# KiCad board AT386SX.kicad_pcb (continued)
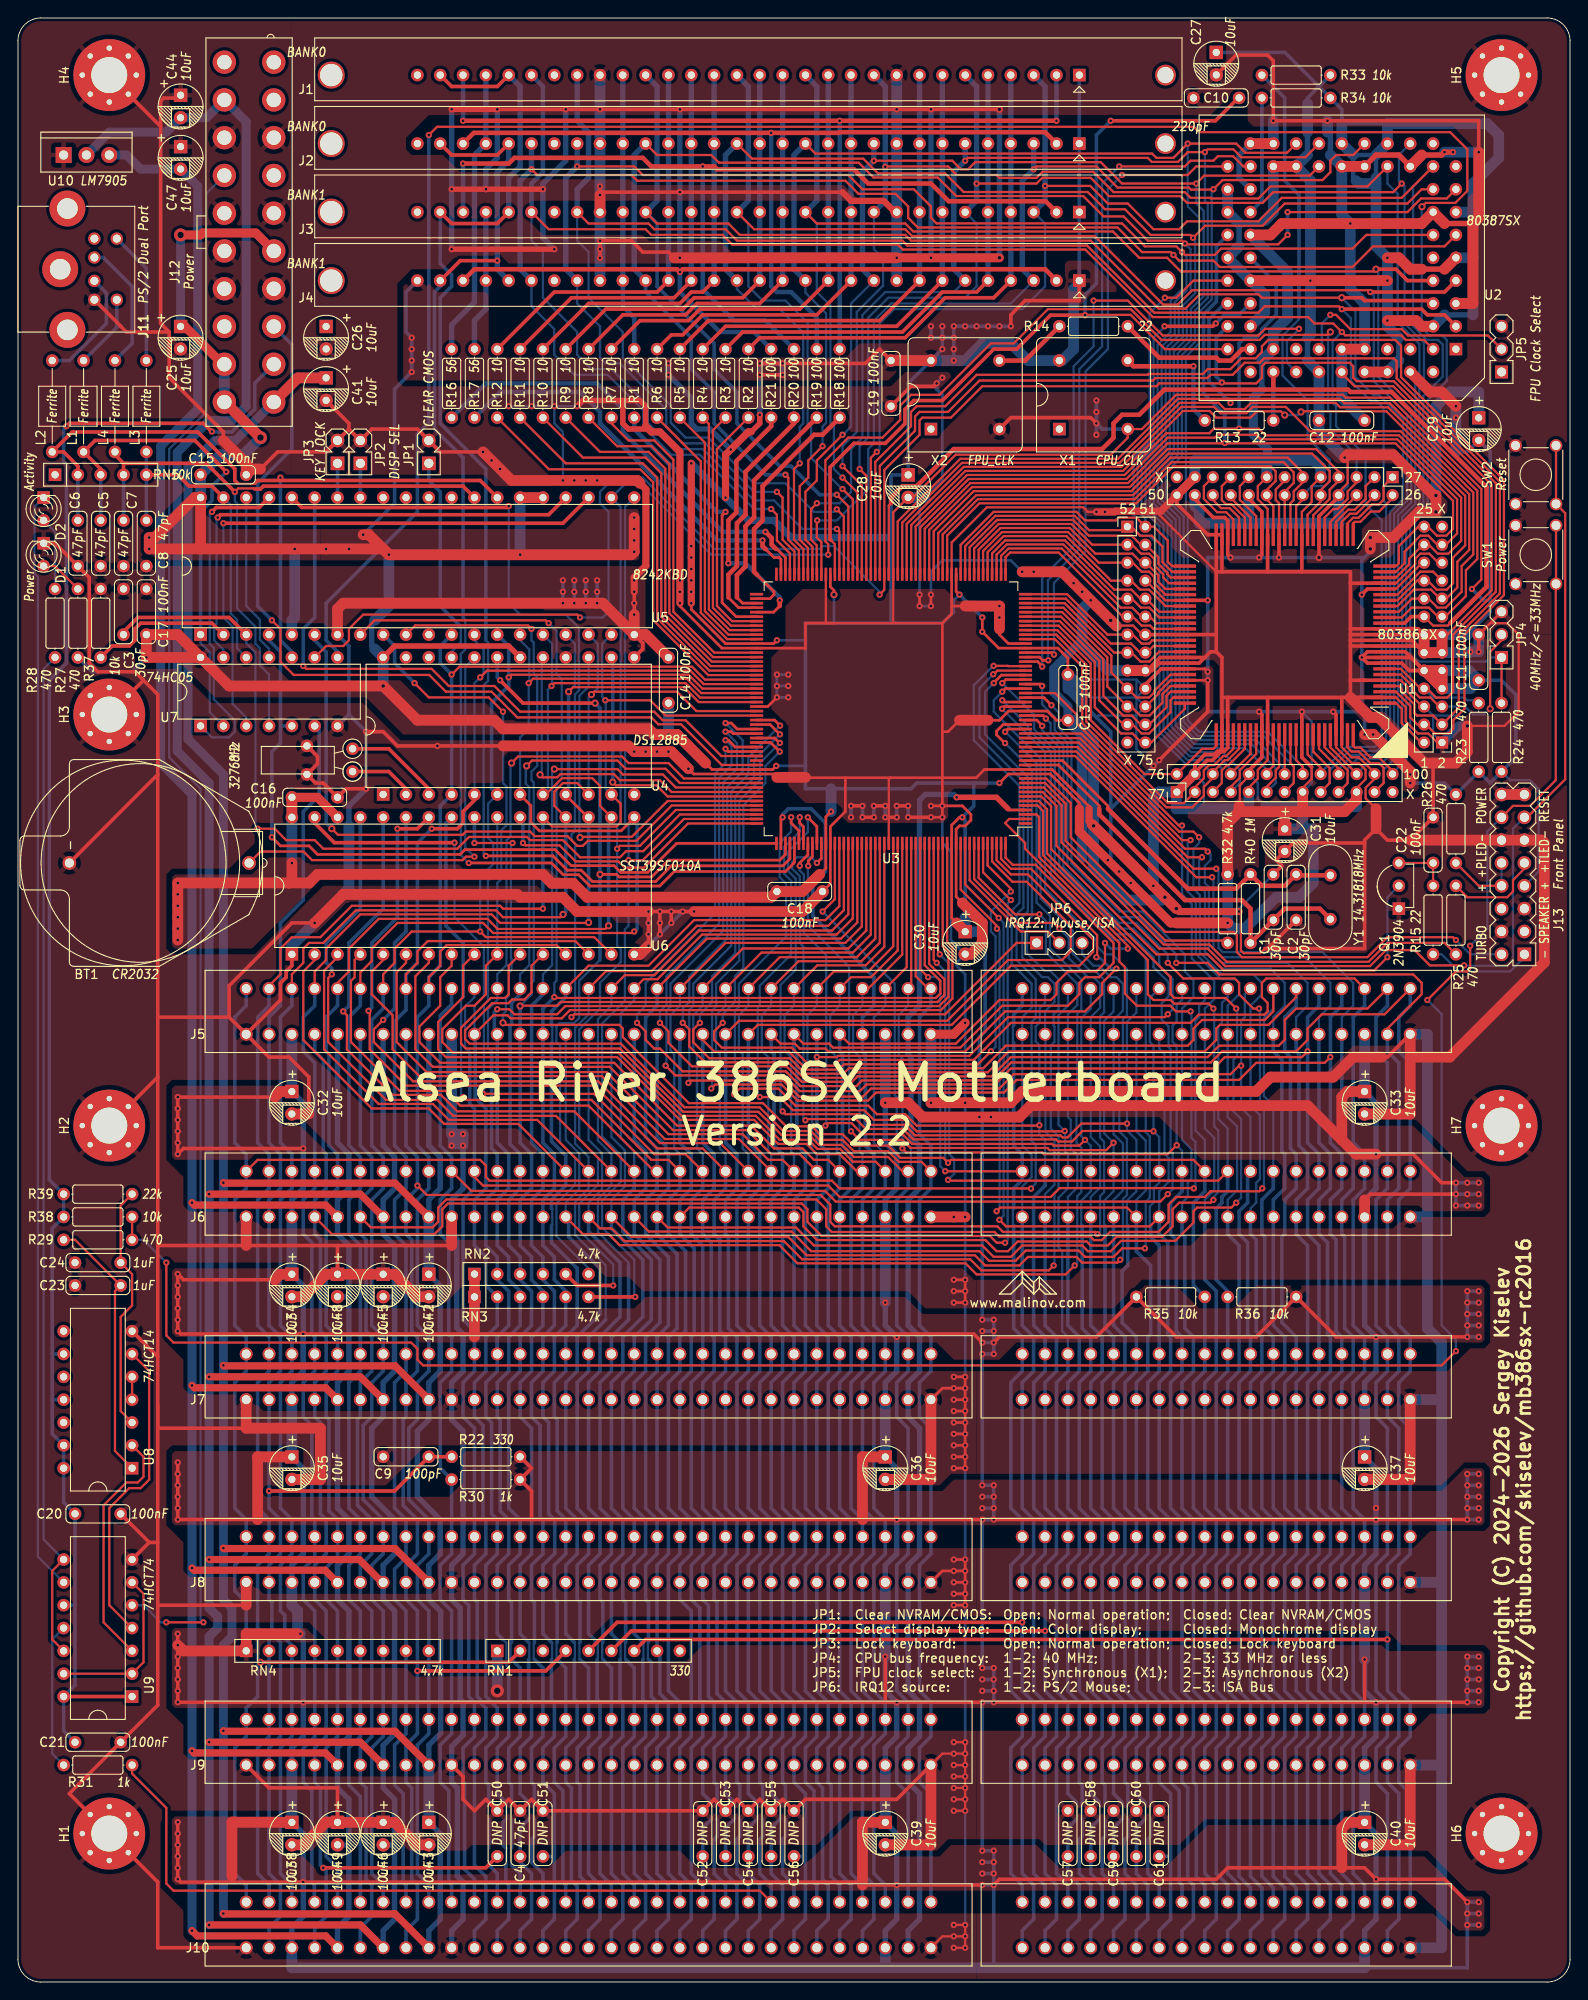
[diagram p0: board, top side]
## Routing (per net, layer and track width the routed paths; a pad name or vN(x,y) marks a point on that pad's centre or on a via; arc(x,y) is an arc through that point) (continued)
  Top w0.25: U1.44 137.16,162.88 134.97,165.07 J15.20
/~{SUSP}: length 7.6
  Top w0.25: J15.17 135.97,166.37 135.97,164.86 137.79,163.04 U1.43
A1: length 98.3
  Top w0.25: v2(142.79,174.62) 142.86,174.7 152.29,174.7 161.5,165.48 161.5,159.28 160.18,157.96 160.18,155.1 158.94,153.86 J14.17 158.24,153.86 157.24,154.86 155.34,154.86 153.51,153.03 U1.18 ; U3.74 99.41,162.04 105.42,168.06 122.97,168.06 129.64,174.73 132.61,174.73 133.35,173.99 137.16,173.99 137.87,174.7 140.55,174.7 v2(140.97,174.28)
  Bottom w0.25: v2(140.97,174.28) 142.44,174.28 v2(142.79,174.62)
A2: length 68.4
  Top w0.25: U1.51 128.43,157.48 127.95,157.96 127.95,160.32 126.41,161.86 J16.2 124.46,162.86 122.46,162.86 122.16,162.56 118.75,162.56 117.79,163.51 108.58,163.51 104.91,159.84 U3.63
  Top w0.4: v1(127.6,184.15) 132.98,184.15 v1(133.3,184.47)
  Bottom w0.25: v1(127.6,184.15) 127.6,184.11 126.37,182.89 126.37,171.14 124.59,169.36 124.59,163.7 125.46,162.83 J16.2
  Bottom w0.4: U2.48 135.89,185.42 134.25,185.42 v1(133.3,184.47)
A3: length 32.9
  Top w0.25: U1.52 128.43,156.84 127.36,157.92 127.36,159.66 126.16,160.86 124.89,160.86 123.89,161.86 J16.1 123.08,161.48 119.19,161.48 117.61,163.06 108.76,163.06 105.41,159.7 U3.62
A4: length 31.4
  Top w0.25: U1.53 128.27,156.21 127.9,156.58 127.9,156.74 126.91,157.73 126.91,158.46 125.51,159.86 J16.4 124.94,159.86 123.94,160.86 119.17,160.86 117.42,162.61 108.95,162.61 105.91,159.57 U3.61
A5: length 30.8
  Top w0.25: U3.60 106.41,159.43 109.14,162.16 117.23,162.16 119.54,159.86 J16.3 123.98,159.86 124.99,158.86 125.87,158.86 126.46,158.27 126.46,157.55 127.45,156.56 127.45,156.21 128.08,155.57 U1.54
A6: length 29.9
  Top w0.25: U3.59 106.91,159.3 109.32,161.71 117.05,161.71 119.9,158.86 124.03,158.86 125.03,157.86 J16.6 125.51,157.86 126.91,156.46 126.91,155.73 127.7,154.94 U1.55
A7: length 29.2
  Top w0.25: U3.58 107.41,159.16 109.51,161.26 116.86,161.26 120.27,157.86 J16.5 124.05,157.86 125.05,156.86 125.87,156.86 126.46,156.27 126.46,155.55 127.7,154.31 129.86,154.31
A8: length 28.4
  Top w0.25: U3.57 107.91,159.03 109.7,160.82 116.68,160.82 121.63,155.86 J16.7 123.86,155.86 124.86,154.86 125.87,154.86 127.7,153.03 U1.58
A9: length 27.7
  Top w0.25: U3.56 108.41,158.89 109.85,160.34 116.52,160.34 121.99,154.86 123.9,154.86 124.91,153.86 J16.10 125.54,153.86 127,152.4 U1.59
A10: length 27
  Top w0.25: U3.55 108.91,158.75 110.04,159.89 116.33,159.89 122.36,153.86 J16.9 123.95,153.86 124.95,152.86 125.91,152.86 127,151.76 U1.60
A11: length 26.3
  Top w0.25: U3.54 109.41,158.62 110.23,159.44 116.15,159.44 122.72,152.86 124,152.86 125,151.86 J16.12 125.95,151.86 126.68,151.13 U1.61
A12: length 25.6
  Top w0.25: U1.62 126.37,150.5 126,150.86 125.05,150.86 124.46,151.45 124.46,151.45 124.05,151.86 J16.11 122.94,151.86 115.81,158.99 110.41,158.99 109.91,158.48 U3.53
A13: length 20.2
  Top w0.25: U1.64 126.24,149.22 125.87,148.86 125.05,148.86 124.05,149.86 J16.13 121.25,149.86 116.75,154.36 U3.52
A14: length 21
  Top w0.25: U3.51 116.62,153.86 121.61,148.86 123.87,148.86 124.46,148.27 124.46,148.27 124.87,147.86 J16.16 125.63,147.86 126.37,148.59 U1.65
  Top w0.4: 125.73,147.95 125.41,147.64
A15: length 20.9
  Top w0.25: U1.66 127,147.95 125.91,146.86 124.92,146.86 123.92,147.86 J16.15 121.98,147.86 116.48,153.36 U3.50
A16: length 24.1
  Top w0.25: U3.49 116.35,152.86 121.68,147.52 121.68,145.64 J16.19 123.47,143.86 124.47,142.86 125.87,142.86 126.46,143.45 126.46,143.61 128.27,145.41 U1.70
A17: length 26.3
  Top w0.25: U3.48 116.21,152.36 121.23,147.33 121.23,144.09 J16.21 123.89,141.86 124.89,140.86 125.94,140.86 127.36,142.28 127.36,143.23 128.27,144.14 U1.72
A18: length 27.4
  Top w0.25: U3.47 116.07,151.86 120.78,147.15 120.78,143.06 122.98,140.86 123.93,140.86 124.94,139.86 J16.24 125.89,139.86 127.81,141.78 127.81,143.05 128.27,143.51 U1.73
A19: length 27.9
  Top w0.25: U3.46 115.94,151.36 120.33,146.96 120.33,142.56 123.03,139.86 J16.23 124.05,139.86 125.05,138.86 125.87,138.86 128.26,141.24 128.26,142.55 128.59,142.88 U1.74
A20: length 28.3
  Top w0.25: U1.75 129.86,141.61 126.11,137.86 J16.26 125.03,137.86 124.03,138.86 122.76,138.86 119.83,141.79 119.83,146.83 115.8,150.86 U3.45
A21: length 34.1
  Top w0.25: U1.76 133.35,137.48 133.03,137.16 131.78,137.16 J17.2 125.37,134.35 119.38,140.34 119.38,146.64 115.67,150.36 U3.44
A22: length 39.5
  Top w0.25: U3.43 115.53,149.86 118.88,146.51 118.88,140.2 127.95,131.13 129.75,131.13 J17.3 130.97,132.88 131.97,133.87 131.97,134.76 132.56,135.35 133.13,135.35 134.12,136.34 134.43,136.34 135.25,137.16 U1.79
A23: length 108
  Top w0.25: v1(127.63,187.33) 127.63,187.32 128.91,187.32 130.81,189.23 U2.45 ; U3.42 115.4,149.36 118.43,146.32 118.43,140.02 127.79,130.65 130.68,130.65 131.97,131.94 131.97,132.92 132.97,133.92 J17.6 132.97,134.56 134.3,135.89 134.62,135.89 135.89,137.16 U1.80
  Bottom w0.25: v1(127.63,187.33) 125.92,185.62 125.92,171.33 124.14,169.55 124.14,163.18 124.46,162.86 124.46,161.29 124.89,160.86 125.87,160.86 126.58,160.15 126.58,138.85 130.01,135.41 131.91,135.41 J17.6
AEN: length 243.8
  Top w0.25: v1(130.49,107.95) 128.87,107.95 128.23,108.58 124.52,108.58 123.19,109.91 123.19,112.87 122.56,113.51 122.56,115.57 113.42,124.71 112.08,126.05 112.08,126.68 109.86,128.91 110.31,129.36 U3.2 ; J6.42 50.8,89.53 51.75,88.58 90.17,88.58 91.44,87.31 114.94,87.31 115.93,88.31 130.81,88.31 v1(130.85,88.26)
  Bottom w0.25: 50.16,103.5 49.75,103.92 49.75,108.49 50.8,109.54 J5.42 ; v1(130.85,88.26) 131.03,88.45 131.03,93.44 130.58,93.89 130.58,107.86 v1(130.49,107.95)
  Bottom w0.4: J10.42 50.8,11.43 49.7,12.53 49.7,22.05 49.53,22.22 49.53,26.03 50.8,27.31 J9.42 50.8,31.12 50.16,31.75 50.16,41.91 49.53,42.54 49.53,46.35 50.8,47.62 J8.42 50.8,61.59 49.53,62.87 49.53,66.68 50.8,67.94 J7.42 50.8,72.39 49.53,73.66 49.53,87 50.8,88.26 J6.42 50.8,97.16 50.28,97.68 50.28,103.39 50.16,103.5
ALE: length 147.5
  Top w0.3: v1(85.09,129.54) 84.91,129.36 U3.158
  Bottom w0.3: 88.9,118.11 88.49,118.52 88.49,122.14 88.51,122.17
  Bottom w0.4: v1(85.09,129.54) 85.09,129.86 85.72,130.49 88.27,130.49 89.85,128.91 89.85,123.51 88.44,122.09 88.44,118.57 95.25,111.76 95.25,108.58 93.98,107.31 J5.28 93.98,103.5 94.3,103.19 94.3,93.03 95.25,92.07 95.25,88.26 93.98,87 J6.28 93.98,73.03 95.25,71.75 95.25,67.94 93.98,66.68 J7.28 93.98,52.71 95.25,51.44 95.25,47.62 93.98,46.35 J8.28 93.98,32.38 95.25,31.12 95.25,27.31 93.98,26.03 J9.28 93.98,12.06 95.25,10.79 95.25,6.98 93.98,5.72 J10.28
BCLK: length 230.8
  Top w0.25: U3.5 113.46,130.86 114.08,130.24 114.08,125.32 125.73,113.67 125.73,113.66 125.73,109.86 126.36,109.22 128.27,109.22 128.67,108.82 132.48,108.82 v1(133.03,108.27) ; v1(133.03,87) 132.72,86.68 129.22,86.68 128.5,85.95 128.5,84.05 127.33,82.88 122.25,82.88 121.28,81.91 119.38,81.91 118.93,82.36 118.11,82.36 111.26,82.36 110.17,81.28 108.9,81.28 107.66,82.52 88.93,82.52 87.4,84.05 87.4,85.63 86.9,86.13 74.7,86.13 J6.20
  Bottom w0.25: v1(133.03,87) 133.03,87.31 133.58,87.86 133.58,94.71 133.12,95.16 133.12,108.18 v1(133.03,108.27)
  Bottom w0.4: J5.20 73.66,93.34 74.93,92.07 74.93,88.26 73.66,87 J6.20 73.66,83.19 75.25,81.6 75.25,72.07 74.93,71.75 74.93,67.94 73.66,66.68 J7.20 73.66,52.71 74.93,51.44 74.93,47.62 73.66,46.35 J8.20 73.66,42.54 74.93,41.28 74.93,27.31 73.66,26.03 J9.20 73.66,12.06 74.93,10.79 74.93,6.98 73.66,5.72 J10.20
CLK2: length 117.6
  Top w0.25: 159.38,151.13 159.12,150.86 157.48,150.86 J14.16 ; U3.79 96.91,164.22 97.16,164.47
  Top w0.4: J14.16 155.03,151.86 154.31,151.13 U1.15
  Top w0.5: 159.38,151.13 163.42,155.17 163.42,166.28 152.86,176.85 148.27,176.85 148.02,177.1 139.7,177.1 U2.54 ; 97.16,164.47 97.16,165.1 98.42,166.37 100.01,166.37 104.14,170.5 120.65,170.5 121.92,171.77 121.92,173.35 122.87,174.31 124.78,174.31 127.57,177.1 139.64,177.1 139.7,177.16
  Bottom w0.5: U2.54 R13.2
CPU_PEREQ: length 56.8
  Top w0.25: U1.37 141.6,164.47 141.97,164.83 141.97,165.78 142.97,166.78 J15.11 142.97,167.86 141.29,169.55 128.27,169.55 124.09,165.37 106.63,165.37 102.41,161.14 U3.68
CPU_RESET: length 63.5
  Top w0.25: U3.70 101.41,161.5 106.17,166.27 123.72,166.27 127.95,170.5 144.46,170.5 146.97,167.99 J15.7 146.97,166.97 145.97,165.97 145.97,164.96 144.15,163.13 U1.33
D0: length 210.9
  Top w0.25: J14.2 156.15,137.86 153.99,140.02 153.99,141.61 153.35,142.24 U1.1 ; U3.83 94.91,169.52 v1(95.57,170.18) ; U2.19 153.99,198.44 140.65,198.44 138.04,195.83 130.11,195.83 129.22,194.94 126.37,194.94 123.51,197.8 121.28,197.8 119.33,199.76 v1(114.3,199.76)
  Bottom w0.25: v1(95.57,170.18) 95.89,170.5 95.89,184.47 97.47,186.06 111.76,186.06 114.3,188.59 114.3,195.58 J3.3 ; J14.2 156.14,137.86 154.94,139.06 154.94,162.56 156.4,164.02 156.4,176.4 158.55,178.55 158.55,182.13 158.04,182.63 156.78,182.63 155.26,184.15 155.26,199.71 U2.19
  Bottom w0.5: 114.3,198.12 114.3,199.71 ; 114.3,199.71 114.3,210.82 ; 114.3,199.71 v1(114.3,199.76)
  Bottom w0.6: J1.3 114.3,210.82 v1(114.3,199.76) 114.3,198.12 J3.3
D1: length 197.8
  Top w0.25: J17.26 152.97,134.69 151.45,136.21 150.5,136.21 149.41,137.29 148.78,137.29 148.59,137.48 U1.100 ; v1(93.66,168.28) 94.41,167.53 U3.84 ; v1(106.68,200.03) 113.35,200.03 113.98,200.66 119.38,200.66 121.42,198.62 129.35,198.62 130.1,197.87 138.5,197.87 139.7,199.07 153.03,199.07 v1(153.99,200.03)
  Bottom w0.25: J17.26 152.97,134.45 154.49,135.97 154.49,162.75 155.95,164.2 155.95,177.22 156.46,177.73 156.46,182.32 154.31,184.47 154.31,199.71 153.67,200.34 153.67,203.2 U2.20 ; v1(93.66,168.28) 93.66,170.81 94.61,171.77 94.61,185.1 96.84,187.32 105.41,187.32 106.68,188.59 106.68,195.58 J3.6
  Bottom w0.6: J3.6 106.68,198.12 v1(106.68,200.03) 106.68,210.82 J1.6
D2: length 201.8
  Top w0.25: v1(91.76,168.59) 93.91,166.44 U3.85 ; J17.23 151.97,133.35 151.97,135.05 151.45,135.57 150.5,135.57 149.23,136.84 148.43,136.84 147.96,137.32 U1.99 ; U2.23 150.18,199.71 139.38,199.71 138.04,198.37 132.79,198.37 132.72,198.44 130.49,198.44 129.86,199.07 121.92,199.07 119.66,201.33 114.02,201.33 113.35,200.66 109.22,200.66 108.9,200.98 104.46,200.98 103.5,201.93 96.56,201.93 v1(96.52,201.89)
  Bottom w0.25: v1(91.76,168.59) 91.76,170.81 93.34,172.4 93.34,185.74 96.27,188.67 96.27,191.7 95.25,192.72 J3.10 ; U2.23 152.4,200.03 153.54,198.89 153.54,184.6 155.96,182.17 155.96,178.19 155.5,177.72 155.5,164.39 154.04,162.93 154.04,136.9 151.97,134.82 151.97,133.35 J17.23
  Bottom w0.6: J1.10 96.52,210.82 v1(96.52,201.89) 96.52,198.12 J3.10
D3: length 199
  Top w0.25: J3.13 88.9,195.58 98.74,195.58 99.63,194.69 121.86,194.69 124.78,191.77 127.88,191.77 129.4,190.25 150.88,190.25 v2(151.13,190.5) ; U1.96 146.05,137.32 148.97,134.4 J17.22 ; v1(91.76,167.32) 93.41,165.68 U3.86
  Top w0.4: v2(151.13,190.5) 153.35,190.5 154.62,189.23 U2.8
  Bottom w0.25: J17.22 150.19,135.57 151.77,135.57 153.59,137.4 153.59,163.12 155.05,164.57 155.05,174.84 151.38,178.51 151.38,190.25 v2(151.13,190.5) ; J3.13 88.9,195.58 88.9,187.96 90.42,186.44 90.42,173.43 90.8,173.04 90.8,168.28 v1(91.76,167.32)
  Bottom w0.6: J1.13 88.9,210.82 88.9,198.12 J3.13
D4: length 218.8
  Top w0.25: J17.19 147.97,133.35 147.97,134.76 145.41,137.32 U1.95 ; U3.87 92.91,164.91 v1(91.76,166.05) ; J3.16 81.91,194.94 98.74,194.94 99.5,194.19 119.81,194.19 126.96,187.05 127.44,186.57 129.06,186.57 130.66,188.16 150.29,188.16 v1(150.5,187.96)
  Top w0.4: v1(150.5,187.96) 158.75,187.96 U2.7
  Bottom w0.25: v1(91.76,166.05) 91.72,166.05 88.27,169.51 88.27,172.88 87.88,173.27 87.88,184.54 85.41,187.01 82.87,187.01 81.28,188.59 81.28,195.58 J3.16 ; v1(150.5,187.96) 150.88,187.57 150.88,178.05 154.6,174.33 154.6,164.76 153.14,163.31 153.14,137.58 151.58,136.02 149.04,136.02 147.97,134.95 147.97,133.35 J17.19
  Bottom w0.6: J3.16 81.28,198.12 81.28,210.82 J1.16
D5: length 227.1
  Top w0.25: U1.94 144.78,137.16 146.97,134.97 J17.20 ; U3.88 92.41,164.13 v1(91.12,165.42) ; v2(147.32,187.32) 138.43,187.32 138.04,187.71 131.52,187.71 129.92,186.12 126.94,186.12 119.38,193.68 99.38,193.68 98.74,194.31 80.33,194.31 79.06,195.58 71.12,195.58 J3.20
  Top w0.4: U2.6 157.16,187.01 149.86,187.01 149.54,187.32 v2(147.32,187.32)
  Bottom w0.25: v2(147.32,187.32) 148.84,185.81 148.84,178.51 150.81,176.53 151.45,176.53 154.15,173.83 154.15,164.95 152.69,163.49 152.69,137.77 151.4,136.47 148.54,136.47 146.97,134.91 J17.20
  Bottom w0.4: v1(91.12,165.42) 91.12,165.42 89.22,165.42 86.04,168.59 84.77,168.59 80.01,173.35 80.01,176.85 77.47,179.39 77.47,182.25 71.12,188.59 71.12,195.58 J3.20
  Bottom w0.6: J1.20 71.12,210.82 71.12,198.12 J3.20
D6: length 246.4
  Top w0.25: U1.93 144.15,136.84 145.97,135.02 145.97,133.35 J17.17 ; U3.89 91.91,163.01 v1(91.12,163.79) ; v1(147.32,186.06) 147,186.37 138.75,186.37 138.04,185.67 126.43,185.67 118.97,193.13 98.97,193.13 98.42,193.68 80.01,193.68 78.74,194.94 70.8,194.94 70.17,195.58 63.5,195.58 J3.23
  Top w0.4: v1(147.32,186.06) 156.21,186.06 156.84,185.42 158.75,185.42 U2.3
  Bottom w0.25: J17.17 145.97,133.35 145.97,134.76 148.13,136.92 151.21,136.92 152.24,137.95 152.24,164.47 151.97,164.74 151.97,175.05 151.13,175.89 150.5,175.89 148.34,178.05 148.34,185.03 v1(147.32,186.06) ; J3.23 62.23,193.68 63.5,192.41 63.5,187.32 67.31,183.51 67.31,180.66 72.64,175.33 72.64,173.43 74.3,171.77 76.83,171.77 81.91,166.69 85.41,166.69 88.58,163.51 90.84,163.51 v1(91.12,163.79)
  Bottom w0.6: J3.23 62.23,199.39 63.5,200.66 63.5,205.74 62.23,207.01 J1.23
D7: length 245.6
  Top w0.25: U2.2 156.46,182.63 154.45,182.63 153.94,183.15 147.69,183.15 v1(147.32,183.51) 146.37,184.47 144.29,184.47 143.58,185.17 126.29,185.17 118.78,192.68 98.46,192.68 97.92,193.23 79.51,193.23 78.42,194.31 70.48,194.31 69.85,194.94 59.05,194.94 J3.25 ; J17.18 144.97,135.06 143.51,136.53 U1.92 ; U3.90 91.41,161.32 v1(91.12,161.61)
  Bottom w0.25: v1(147.32,183.51) 146.3,182.49 146.3,175.65 146.69,175.26 146.69,173.04 149.97,169.75 149.97,164.36 151.76,162.56 151.76,138.11 151.02,137.37 147.85,137.37 144.97,134.49 J17.18 ; v1(91.12,161.61) 87.31,161.61 84.14,164.78 81.91,164.78 76.2,170.5 73.03,170.5 70.1,173.43 70.1,175.33 66.04,179.39 63.82,179.39 62.23,180.97 62.23,183.51 58.42,187.32 58.42,192.41 57.15,193.68 J3.25
  Bottom w0.5: J3.25 57.15,200.03 58.42,201.3 58.42,210.82 J1.25
D8: length 190
  Top w0.25: J17.16 142.97,135.16 142.24,135.89 U1.90 ; U2.24 148.59,203.2 146.69,203.2 146.05,202.56 146.05,201.3 145.17,200.41 134.06,200.41 v1(133.03,199.39) 132.99,199.35 130.53,199.35 130.31,199.58 122.37,199.58 120.01,201.93 113.35,201.93 v1(113.03,201.61) ; U3.94 89.41,160.15 88.9,160.66 88.9,162.52 v1(88.94,162.56)
  Bottom w0.25: J17.16 142.97,135.16 139.09,139.04 131.47,139.04 130.18,140.33 130.18,163.2 129.97,163.41 129.97,180.77 131.42,182.22 131.42,185.71 132.85,187.14 132.85,199.2 v1(133.03,199.39) ; J4.3 110.49,186.69 97.16,186.69 95.25,184.78 95.25,171.13 94.61,170.5 94.61,166.05 91.12,162.56 v1(88.94,162.56)
  Bottom w0.6: J4.3 111.76,190.5 111.76,200.34 v1(113.03,201.61) J2.3
D9: length 198
  Top w0.25: J17.13 141.97,133.35 141.97,135.21 141.6,135.57 U1.89 ; v1(105.41,202.57) 105.73,202.88 125.73,202.88 126.18,202.43 129.09,202.43 130.18,203.52 v1(132.08,203.52) 132.4,203.84 135.25,203.84 136.14,202.95 143.26,202.95 U2.28 ; U3.95 88.89,156.58 88.89,159.79 88.27,160.42 88.27,163.83 v1(88.9,164.47)
  Bottom w0.25: v1(88.9,164.47) 91.44,164.47 92.71,165.74 92.71,170.5 93.98,171.77 93.98,185.42 96.52,187.96 104.14,187.96 J4.6 ; J17.13 141.97,133.35 141.97,135.21 138.59,138.59 131.29,138.59 129.73,140.15 129.73,163.01 127.74,165 127.74,167.9 129.52,169.68 129.52,180.95 130.97,182.4 130.97,185.9 132.4,187.32 132.4,197.8 132.08,198.12 v1(132.08,203.52)
  Bottom w0.5: 104.14,201.3 v1(105.41,202.57) J2.6
  Bottom w0.6: J4.6 104.14,190.5 104.14,201.3 v1(105.41,202.57) J2.6
D10: length 186.4
  Top w0.25: v1(91.76,172.08) 89.81,170.14 89.81,170.14 88.9,169.23 88.9,167 87.63,165.74 87.63,160.42 88.41,159.64 U3.96 ; U2.29 143.76,200.91 132.01,200.91 v1(131.13,200.03) 122.87,200.03 122.2,200.7 122.2,200.7 120.49,202.41 106.52,202.41 105.73,201.61 104.93,201.61 103.98,202.56 v1(95.25,202.56) ; U1.88 J17.14
  Bottom w0.25: v1(131.13,200.03) 131.13,197.8 131.95,196.98 131.95,187.51 130.52,186.08 130.52,182.59 129.07,181.14 129.07,169.87 127.29,168.09 127.29,164.82 129.28,162.83 129.28,139.96 131.1,138.14 137.77,138.14 140.78,135.12 140.81,135.12 140.97,134.96 J17.14 ; v1(91.76,172.08) 91.8,172.08 92.71,172.99 92.71,186.69 J4.10
  Bottom w0.6: J2.10 v1(95.25,202.56) 93.98,201.3 93.98,190.5 J4.10
D11: length 199.4
  Top w0.25: v1(89.53,170.81) 87.95,169.23 87.95,167.32 87,166.37 87,160.42 87.91,159.51 U3.97 ; U1.87 140.34,135.13 139.97,134.76 139.97,133.94 139.38,133.35 139.38,133.35 138.97,132.94 J17.11 ; U2.30 141.22,203.45 136.6,203.45 135.57,204.47 v1(130.18,204.47) 128.59,202.88 126.68,202.88 126.21,203.36 88.74,203.36 J2.13
  Bottom w0.25: v1(89.53,170.81) 89.53,173.01 89.92,173.4 89.92,185.6 87.63,187.89 J4.13 ; J17.11 139.97,133.35 139.97,134.99 137.27,137.69 130.91,137.69 128.83,139.78 128.83,162.64 126.84,164.63 126.84,168.27 128.62,170.05 128.62,181.32 130.07,182.78 130.07,186.27 131.44,187.64 131.44,196.22 130.18,197.49 v1(130.18,204.47)
  Bottom w0.6: J4.13 86.36,190.5 86.36,203.2 J2.13
D12: length 213.4
  Top w0.25: U3.98 87.41,159.37 86.36,160.41 86.36,168.28 v1(87,168.91) ; U2.16 156.21,199.39 154.62,197.8 140.97,197.8 138.5,195.33 132.11,195.33 v1(130.77,193.99) 130.45,194.31 126.05,194.31 123.19,197.17 120.97,197.17 119.05,199.09 105.24,199.09 103.17,201.15 95.71,201.15 94.07,202.8 81.68,202.8 J2.16 ; J17.12 138.97,134.53 139.7,135.25 U1.86
  Bottom w0.25: v1(130.77,193.99) 131,193.77 131,187.83 129.62,186.46 129.62,182.96 128.17,181.51 128.17,170.24 126.39,168.46 126.39,164.44 128.38,162.46 128.38,139.59 130.73,137.24 136.58,137.24 138.97,134.85 J17.12 ; v1(87,168.91) 87,172.96 87.38,173.35 87.38,183.44 84.77,186.06 82.23,186.06 80.01,188.28 J4.16
  Bottom w0.6: J2.16 78.74,203.2 78.74,190.5 J4.16
D13: length 233.5
  Top w0.25: v1(141.29,194.31) 140.24,193.27 129.95,193.27 v1(129.86,193.36) 129.54,193.68 125.73,193.68 123.03,196.37 120.81,196.37 118.55,198.64 104.42,198.64 102.35,200.7 95.21,200.7 93.56,202.35 78.01,202.35 77.15,203.2 71.12,203.2 J2.20 ; U1.83 137.79,136.59 135.97,134.76 135.97,133.94 134.97,132.94 J17.7 ; v1(141.29,196.85) 154.62,196.85 156.14,198.37 159,198.37 U2.15 ; v1(85.41,167.64) 85.72,167.32 85.72,160.41 86.91,159.23 U3.99
  Bottom w0.25: J17.7 135.97,133.35 135.97,134.86 134.04,136.79 130.54,136.79 127.93,139.4 127.93,162.27 125.94,164.26 125.94,168.64 127.72,170.43 127.72,181.7 129.18,183.15 129.18,186.64 130.49,187.96 130.49,192.72 v1(129.86,193.36)
  Bottom w0.4: v1(141.29,196.85) v1(141.29,194.31) ; J4.20 69.85,187.96 74.93,182.88 74.93,179.39 77.47,176.85 77.47,173.35 83.19,167.64 v1(85.41,167.64)
  Bottom w0.6: J4.20 68.58,190.5 68.58,203.2 J2.20
D14: length 235.1
  Top w0.25: U3.100 86.41,159.1 85.09,160.41 85.09,165.1 v1(84.45,165.74) ; U1.82 137.16,136.59 134.97,134.4 J17.8 ; v1(62.23,201.93) 68.58,201.93 69.53,200.98 92.39,200.98 93.98,199.39 99.69,199.39 101.6,197.49 101.6,196.22 102.22,195.59 122.86,195.59 125.41,193.04 128.91,193.04 v1(129.54,192.41) 129.86,192.09 133.19,192.09 133.9,192.79 148.52,192.79 150.04,194.31 U2.12
  Bottom w0.25: v1(84.45,165.74) 81.91,165.74 76.52,171.13 73.98,171.13 72.14,172.97 72.14,174.87 66.99,180.02 65.41,180.02 64.77,180.66 64.77,184.15 62.23,186.69 J4.23 ; v1(129.54,192.41) 129.54,192.41 130.04,191.9 130.04,188.15 128.73,186.83 128.73,183.33 127.27,181.88 127.27,170.61 125.49,168.83 125.49,164.07 127.48,162.08 127.48,139.22 130.36,136.34 133.54,136.34 134.97,134.91 J17.8
  Bottom w0.6: J2.23 v1(62.23,201.93) 60.96,200.66 60.96,190.5 J4.23
D15: length 251.4
  Top w0.25: U2.11 158.75,193.04 150.81,193.04 148.52,190.75 133.74,190.75 133.03,191.45 129.22,191.45 v1(128.59,192.09) 128.27,192.41 125.09,192.41 122.36,195.14 100.13,195.14 99.06,196.22 99.06,197.49 97.67,198.88 93.54,198.88 92.08,200.34 68.9,200.34 68.26,200.98 57.78,200.98 v1(57.15,201.61) ; U3.101 85.91,158.89 84.45,160.34 84.45,163.19 v1(83.82,163.83) ; U1.81 136.53,137.16 134.72,135.35 134.56,135.35 133.97,134.76 133.97,133.35 J17.5
  Bottom w0.25: J17.5 133.97,133.35 133.97,134.92 133.98,134.94 133.03,135.89 130.17,135.89 127.03,139.03 127.03,161.9 125.04,163.88 125.04,169.17 126.82,170.96 126.82,182.07 128.27,183.51 128.27,187.01 129.54,188.28 129.54,191.13 v1(128.59,192.09) ; J4.25 57.15,186.37 59.67,183.85 59.67,180.99 61.91,178.75 65.63,178.75 69.6,174.78 69.6,172.97 72.71,169.86 75.88,169.86 81.91,163.83 v1(83.82,163.83)
  Bottom w0.6: J4.25 55.88,190.5 55.88,200.34 v1(57.15,201.61) J2.25
D/~{C}: length 87.4
  Top w0.25: U1.24 153.35,156.84 154.31,157.8 154.31,159.07 155.48,160.24 155.48,160.27 156.07,160.86 156.96,160.86 157.91,159.91 158.48,159.91 ; J14.23 158.91,159.86 160.15,161.1 160.15,164.92 153.49,171.58 138.3,171.58 137.79,172.08 133.51,172.08 133.19,171.77 127.95,171.77 123.35,167.17 105.8,167.17 100.41,161.77 U3.72
DP_HI: length 139.8
  Top w0.3: v1(50.16,124.46) 59.37,124.46 60.68,123.15 62.39,123.15 63.64,121.9 71.41,121.9 73.03,123.51 85.41,123.51 86.3,124.4 86.3,124.43 86.41,124.54 U3.161
  Top w0.4: v1(53.34,191.45) 49.21,191.45 J4.29 ; J2.26 53.34,203.2 48.26,203.2 J2.29
  Bottom w0.25: 49.53,151.76 49.78,151.52 49.78,148.2 49.28,147.71 49.28,125.34 v1(50.16,124.46)
  Bottom w0.4: 49.53,151.76 49.53,169.55 46.36,172.72 46.36,187.96 46.99,188.59 J4.29
  Bottom w0.6: J2.26 54.61,202.56 53.34,201.3 v1(53.34,191.45) 53.34,190.5 J4.26
DP_LO: length 146.6
  Top w0.3: U3.160 85.91,124.92 85.13,124.14 72.71,124.14 70.96,122.4 63.94,122.4 62.67,123.66 61.13,123.66 59.54,125.25 v1(52.07,125.25)
  Top w0.4: J1.26 53.34,210.82 48.26,210.82 J1.29 ; J3.29 48.26,195.58 53.34,195.58 J3.26
  Bottom w0.25: 52.07,149.23 52.32,148.98 52.32,144.71 51.82,144.22 51.82,125.41 51.99,125.25 v1(52.07,125.25)
  Bottom w0.4: J3.29 46.99,191.13 48.26,189.87 48.26,188.59 46.99,187.32 46.99,173.35 52.07,168.28 52.07,149.23
  Bottom w0.6: J1.26 55.88,210.82 55.88,201.93 54.61,200.66 J3.26
DRQ0: length 155.9
  Top w0.25: U3.30 115.41,143.36 117.86,140.9 117.86,139.95 129.18,128.63 v1(129.54,128.63)
  Bottom w0.25: J6.71 132.08,87 133.12,88.04 133.12,93.89 132.08,94.93 J5.71 132.08,108.27 132.75,108.94 133.12,109.31 133.12,111.35 130.62,113.85 130.62,119.88 129.54,120.97 v1(129.54,128.63)
  Bottom w0.4: J10.71 132.08,5.72 133.35,6.98 133.35,10.79 132.08,12.06 J9.71 132.08,26.03 133.35,27.31 133.35,31.12 132.08,32.38 J8.71 132.08,46.35 133.35,47.62 133.35,51.44 132.08,52.71 J7.71 132.08,66.68 133.35,67.94 133.35,76.84 132.08,78.1 J6.71
DRQ1: length 239.8
  Top w0.25: v1(125.41,81.6) 122.87,81.6 121.92,80.65 118.75,80.65 118.03,81.36 112.16,81.36 111.01,80.21 108.07,80.21 107,81.28 88.27,81.28 88.11,81.44 86.08,83.46 70.21,83.46 J6.18
  Top w0.3: U3.28 109.74,142.36 v1(109.54,142.56)
  Bottom w0.25: 69.53,35.88 69.6,35.95 69.6,37.71 69.53,37.78 ; v1(125.41,81.6) 125.5,81.69 125.5,86.77 125.96,87.22 125.96,94.07 125.5,94.52 125.5,113.89 123.51,115.89 121.92,115.89 114.94,122.87 114.94,136.84 112.4,139.38 112.4,139.7 109.8,142.3 v1(109.54,142.56)
  Bottom w0.4: J5.18 68.58,93.66 69.85,92.39 69.85,88.26 68.58,87 J6.18 68.58,83.19 71.44,80.33 71.44,73.34 69.85,71.75 69.85,67.94 68.58,66.68 J7.18 68.58,52.71 69.85,51.44 69.85,47.62 68.58,46.35 J8.18 68.58,38.73 69.53,37.78 ; J10.18 68.58,5.72 69.85,6.98 69.85,10.79 68.58,12.06 J9.18 68.58,26.03 69.85,27.31 69.85,31.12 69.53,31.43 69.53,35.88
DRQ2: length 286
  Top w0.25: v1(127.95,113.35) 129.68,111.62 135.4,111.62 135.89,111.12 135.89,109.86 137.48,108.27 v1(138.11,108.27) ; v1(138.47,88.26) 138.15,87.95 132.72,87.95 132.08,87.31 128.91,87.31 128.04,86.45 128.04,84.55 126.92,83.42 121.52,83.42 120.61,82.51 119.74,82.51 119.34,82.91 109.18,82.91 108.67,83.42 90.57,83.42 89.95,84.04 89.95,85.95 88.86,87.04 47.67,87.04 46.76,86.13 46.76,84.55 46.15,83.94 39.25,83.94 J6.6
  Top w0.3: v1(114.38,140.52) 114.38,140.57 114.1,140.86 U3.25
  Bottom w0.25: v1(114.38,140.52) 114.92,139.99 114.92,138.92 116.34,137.5 116.34,124.01 122.56,117.79 124.46,117.79 127.95,114.3 v1(127.95,113.35) ; v1(138.11,108.27) 138.2,108.18 138.2,97.7 138.66,97.25 138.66,88.45 v1(138.47,88.26)
  Bottom w0.4: J10.6 38.1,6.03 39.37,7.3 39.37,10.79 38.73,11.43 38.73,21.59 38.1,22.22 J9.6 38.1,26.03 39.37,27.31 39.37,41.28 38.1,42.54 J8.6 38.1,46.35 39.37,47.62 39.37,51.44 37.78,53.02 37.78,62.55 38.1,62.87 J7.6 ; J5.6 38.1,93.03 39.37,91.76 39.37,88.26 38.1,87 J6.6 38.1,83.19 38.73,82.55 38.73,72.39 39.37,71.75 39.37,67.94 38.1,66.68 38.1,65.09
DRQ3: length 231
  Top w0.25: v1(115.25,79.69) 114.71,79.15 107.2,79.15 105.97,80.38 87.26,80.38 85.23,82.41 67.46,82.41 66.05,83.82 64.77,83.82 J6.16
  Top w0.3: U3.23 109.64,139.86 108.9,139.12 108.9,138.71 109.82,137.8 v1(109.86,137.8)
  Bottom w0.25: J6.16 63.5,86.68 65,88.17 65,90.71 64.99,90.71 64.99,92.17 63.5,93.66 J5.16 ; 64.45,35.88 64.52,35.95 64.52,37.71 64.45,37.78 ; v1(115.25,79.69) 115.34,79.78 115.34,87.72 115.8,88.17 115.8,94.07 114.94,94.93 114.94,104.14 115.34,104.55 115.34,106.27 115.25,106.36 115.25,107.63 115.8,108.18 115.8,111.53 114.87,112.46 114.24,112.46 112.3,114.39 112.3,118.02 112.84,118.56 112.84,134.81 v1(109.86,137.8)
  Bottom w0.4: 64.45,35.88 64.45,31.43 64.77,31.12 64.77,27.31 63.5,26.03 J9.16 63.5,12.06 64.77,10.79 64.77,6.98 63.5,5.72 J10.16 ; J6.16 63.5,83.5 66.99,80.01 66.99,73.98 64.77,71.75 64.77,67.94 63.5,66.68 J7.16 63.5,52.71 64.77,51.44 64.77,47.62 63.5,46.35 J8.16 63.5,38.73 64.45,37.78
